# KiCad board nyx.kicad_pcb (continued)
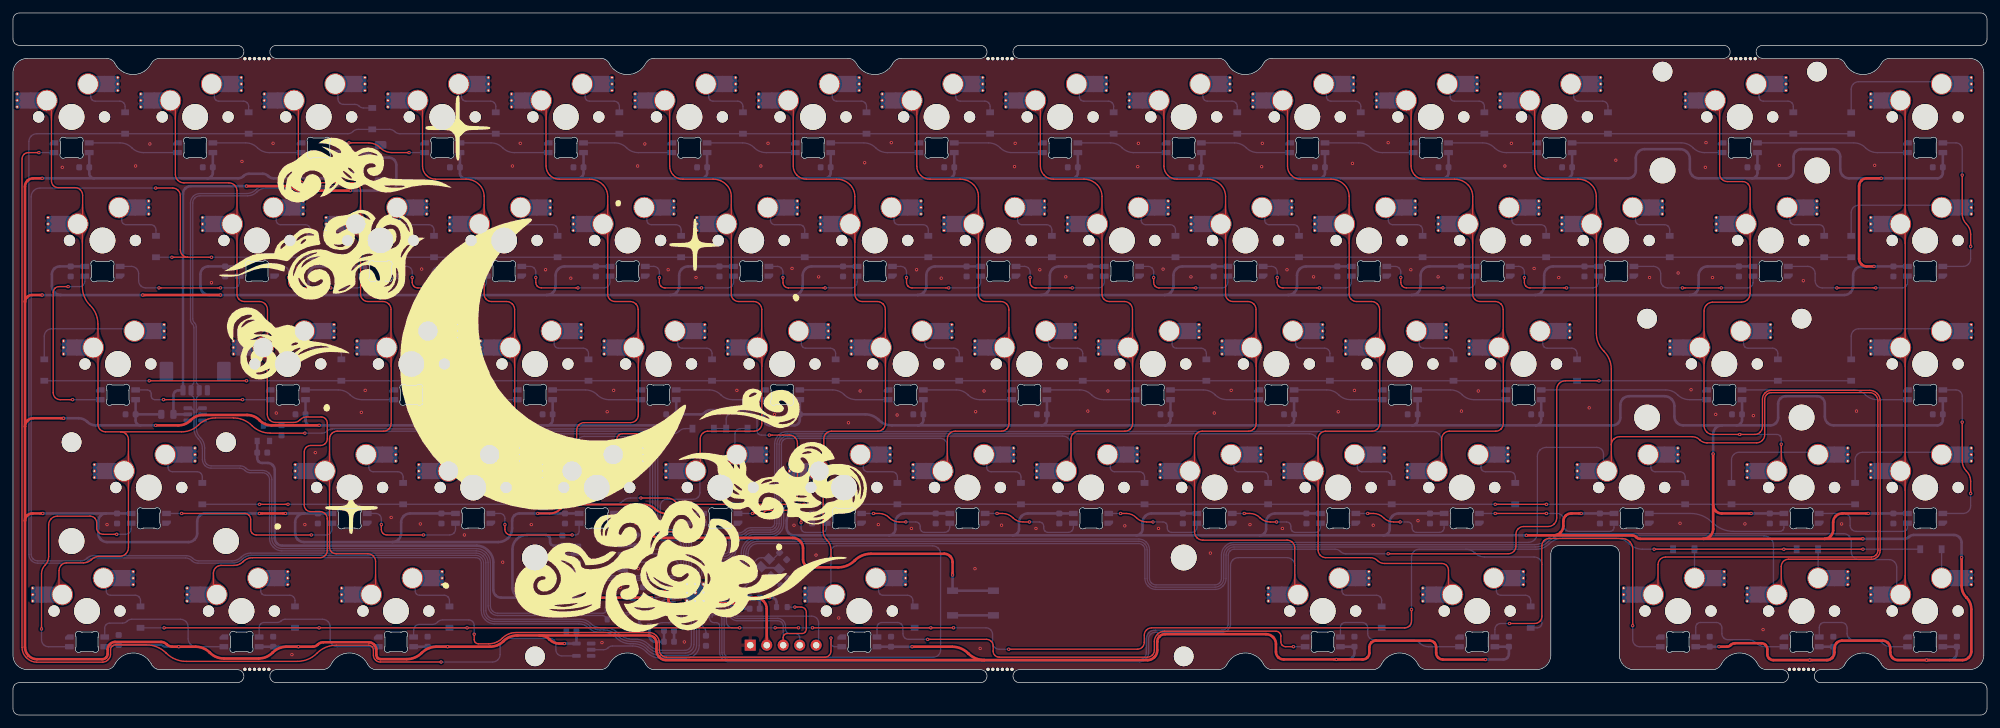
[diagram p0: board, top side]
## Footprints (pads in the part's own frame, mm; a bottom-side part is the same pattern mirrored in y, then rotated) (continued)
  rect 1.65x2.5 smd: 1(5.635,2.54) 2(-4.34,5.08)
  rrect 2.55x2.5 smd: 1(7.36,2.54) 2(-6.09,5.08)
  round 0.5 hole 0.25: 1(8.385,1.54) 1(8.385,2.54) 1(8.385,3.54) 2(-7.115,4.08) 2(-7.115,5.08) 2(-7.115,6.08)
SW_MX_HS_1.25u
  round 1.75 hole 1.75 unplated: (-5.08,0) (5.08,0)
  round 3.988 hole 3.988 unplated: (0,0)
  round 3.3 hole 3: 1(3.81,2.54) 2(-2.54,5.08)
  rect 1.65x2.5 smd: 1(5.635,2.54) 2(-4.34,5.08)
  rrect 2.55x2.5 smd: 1(7.36,2.54) 2(-6.09,5.08)
  round 0.5 hole 0.25: 1(8.385,1.54) 1(8.385,2.54) 1(8.385,3.54) 2(-7.115,4.08) 2(-7.115,5.08) 2(-7.115,6.08)
SW_MX_HS_1.75u
  round 1.75 hole 1.75 unplated: (-5.08,0) (5.08,0)
  round 3.988 hole 3.988 unplated: (0,0)
  round 3.3 hole 3: 1(3.81,2.54) 2(-2.54,5.08)
  rect 1.65x2.5 smd: 1(5.635,2.54) 2(-4.34,5.08)
  rrect 2.55x2.5 smd: 1(7.36,2.54) 2(-6.09,5.08)
  round 0.5 hole 0.25: 1(8.385,1.54) 1(8.385,2.54) 1(8.385,3.54) 2(-7.115,4.08) 2(-7.115,5.08) 2(-7.115,6.08)
SW_MX_HS_1u
  round 1.75 hole 1.75 unplated: (-5.08,0) (5.08,0)
  round 3.988 hole 3.988 unplated: (0,0)
  round 3.3 hole 3: 1(3.81,2.54) 2(-2.54,5.08)
  rect 1.65x2.5 smd: 1(5.635,2.54) 2(-4.34,5.08)
  rrect 2.55x2.5 smd: 1(7.36,2.54) 2(-6.09,5.08)
  round 0.5 hole 0.25: 1(8.385,1.54) 1(8.385,2.54) 1(8.385,3.54) 2(-7.115,4.08) 2(-7.115,5.08) 2(-7.115,6.08)
SW_SPST_TL3342
  rect 1.7x1 smd: 1(-3.15,1.9) 1(3.15,1.9) 2(-3.15,-1.9) 2(3.15,-1.9)
XC6206P332MR
  rect 1x0.8 smd: 1(-1.2,0.95) 2(-1.2,-0.95) 3(1.2,0)

## Nets
+1V1: C11.1 C12.1 C15.1 U3.23 U3.45 U3.50
+3V3: C2.1 C3.1 C4.1 C5.1 C6.1 C7.1 C8.1 C9.1 C10.1 C14.1 C18.1 J2.2 R3.1 RG1.2 U1.8 U3.1 U3.10 U3.22 U3.33 U3.42 U3.43 U3.44 U3.48 U3.49
+5V: C16.1 C17.1 C19.1 C20.1 C21.1 C22.1 C23.1 C24.1 C25.1 C26.1 C27.1 C28.1 C29.1 C30.1 C31.1 C32.1 C33.1 C34.2 C35.2 C36.2 C37.2 C38.2 C39.2 C40.2 C41.2 C42.2 C43.2 C44.2 C45.2 C46.2 C47.2 C48.2 C49.1 C50.1 C51.1 C52.1 C53.1 C54.1 C55.1 C56.1 C57.1 C58.1 C59.1 C60.1 C61.1 C62.1 C63.2 C64.2 C65.2 C66.2 C67.2 C68.2 C69.2 C70.2 C71.2 C72.2 C73.2 C74.2 C75.2 C76.2 C77.1 C78.1 C79.1 C80.1 C81.1 C82.1 C83.1 C84.1 C85.1 F1.2 LED1.1 LED2.1 LED3.1 LED4.1 LED5.1 LED6.1 LED7.1 LED8.1 LED9.1 LED10.1 LED11.1 LED12.1 LED13.1 LED14.1 LED15.1 LED16.1 LED17.1 LED18.1 LED19.1 LED20.1 LED21.1 LED22.1 LED23.1 LED24.1 LED25.1 LED26.1 LED27.1 LED28.1 LED29.1 LED30.1 LED31.1 LED32.1 LED33.1 LED34.1 LED35.1 LED36.1 LED37.1 LED38.1 LED39.1 LED40.1 LED41.1 LED42.1 LED43.1 LED44.1 LED45.1 LED46.1 LED47.1 LED48.1 LED49.1 LED50.1 LED51.1 LED52.1 LED53.1 LED54.1 LED55.1 LED56.1 LED57.1 LED58.1 LED59.1 LED60.1 LED61.1 LED62.1 LED63.1 LED64.1 LED65.1 LED66.1 LED67.1 RG1.3 U2.5
GND: C1.2 C2.2 C3.2 C4.2 C5.2 C6.2 C7.2 C8.2 C9.2 C10.2 C11.2 C12.2 C13.2 C14.2 C15.2 C16.2 C17.2 C18.2 C19.2 C20.2 C21.2 C22.2 C23.2 C24.2 C25.2 C26.2 C27.2 C28.2 C29.2 C30.2 C31.2 C32.2 C33.2 C34.1 C35.1 C36.1 C37.1 C38.1 C39.1 C40.1 C41.1 C42.1 C43.1 C44.1 C45.1 C46.1 C47.1 C48.1 C49.2 C50.2 C51.2 C52.2 C53.2 C54.2 C55.2 C56.2 C57.2 C58.2 C59.2 C60.2 C61.2 C62.2 C63.1 C64.1 C65.1 C66.1 C67.1 C68.1 C69.1 C70.1 C71.1 C72.1 C73.1 C74.1 C75.1 C76.1 C77.2 C78.2 C79.2 C80.2 C81.2 C82.2 C83.2 C84.2 C85.2 ESD1.2 J1.4 J2.1 J3.4 LED1.4 LED2.4 LED3.4 LED4.4 LED5.4 LED6.4 LED7.4 LED8.4 LED9.4 LED10.4 LED11.4 LED12.4 LED13.4 LED14.4 LED15.4 LED16.4 LED17.4 LED18.4 LED19.4 LED20.4 LED21.4 LED22.4 LED23.4 LED24.4 LED25.4 LED26.4 LED27.4 LED28.4 LED29.4 LED30.4 LED31.4 LED32.4 LED33.4 LED34.4 LED35.4 LED36.4 LED37.4 LED38.4 LED39.4 LED40.4 LED41.4 LED42.4 LED43.4 LED44.4 LED45.4 LED46.4 LED47.4 LED48.4 LED49.4 LED50.4 LED51.4 LED52.4 LED53.4 LED54.4 LED55.4 LED56.4 LED57.4 LED58.4 LED59.4 LED60.4 LED61.4 LED62.4 LED63.4 LED64.4 LED65.4 LED66.4 LED67.4 RG1.1 SW1.1 U1.4 U2.3 U3.19 U3.57 Y1.2 Y1.4
VBUS: ESD1.5 F1.1 J1.1 J3.1
/DM: ESD1.6 J1.2 J3.2 R5.2
/DP: ESD1.1 J1.3 J3.3 R4.2
/~{USB_BOOT}: R2.1 SW1.2
ARGB_3V3: U2.2 U3.34
ARGB_5V: LED1.3 U2.4
Col0: MX1.1 MX16.1 MX31.1 MX45.1 MX59.1 U3.5
Col1: MX2.1 MX17.1 MX32.1 MX60.1 U3.35
Col2: MX3.1 MX18.1 MX33.1 MX46.1 MX61.1 U3.4
Col3: MX4.1 MX19.1 MX34.1 MX47.1 U3.3
Col4: MX5.1 MX20.1 MX35.1 MX48.1 U3.2
Col5: MX6.1 MX21.1 MX36.1 MX49.1 U3.6
Col6: MX7.1 MX22.1 MX37.1 MX50.1 MX62.1 U3.28
Col7: MX8.1 MX23.1 MX38.1 MX51.1 U3.14
Col8: MX9.1 MX24.1 MX39.1 MX52.1 U3.13
Col9: MX10.1 MX25.1 MX40.1 MX53.1 MX63.1 U3.30
Col10: MX11.1 MX26.1 MX41.1 MX54.1 MX64.1 U3.12
Col11: MX12.1 MX27.1 MX42.1 MX55.1 U3.11
Col12: MX13.1 MX28.1 MX56.1 MX65.1 U3.16
Col13: MX14.1 MX29.1 MX43.1 MX57.1 MX66.1 U3.18
Col14: MX15.1 MX30.1 MX44.1 MX58.1 MX67.1 U3.17
D+: R4.1 U3.47
D-: R5.1 U3.46
FLASH_nCS: R2.2 U1.1 U3.56
FLASH_SCK: U1.6 U3.52
FLASH_SD0: U1.5 U3.53
FLASH_SD1: U1.2 U3.55
FLASH_SD2: U1.3 U3.54
FLASH_SD3: U1.7 U3.51
Row0: D1.1 D2.1 D3.1 D4.1 D5.1 D6.1 D7.1 D8.1 D9.1 D10.1 D11.1 D12.1 D13.1 D14.1 D15.1 U3.36
Row1: D16.1 D17.1 D18.1 D19.1 D20.1 D21.1 D22.1 D23.1 D24.1 D25.1 D26.1 D27.1 D28.1 D29.1 D30.1 U3.37
Row2: D31.1 D32.1 D33.1 D34.1 D35.1 D36.1 D37.1 D38.1 D39.1 D40.1 D41.1 D42.1 D43.1 D44.1 U3.29
Row3: D45.1 D46.1 D47.1 D48.1 D49.1 D50.1 D51.1 D52.1 D53.1 D54.1 D55.1 D56.1 D57.1 D58.1 U3.15
Row4: D59.1 D60.1 D61.1 D62.1 D63.1 D64.1 D65.1 D66.1 D67.1 U3.27
SWCLK: J2.5 U3.24
SWDIO: J2.4 U3.25
XTAL1: C1.1 U3.20 Y1.3
XTAL2: R1.1 U3.21
~{NRST}: J2.3 R3.2 U3.26
Net-(C13-Pad1): C13.1 R1.2 Y1.1
Net-(D1-A): D1.2 MX1.2
Net-(D2-A): D2.2 MX2.2
Net-(D3-A): D3.2 MX3.2
Net-(D4-A): D4.2 MX4.2
Net-(D5-A): D5.2 MX5.2
Net-(D6-A): D6.2 MX6.2
Net-(D7-A): D7.2 MX7.2
Net-(D8-A): D8.2 MX8.2
Net-(D9-A): D9.2 MX9.2
Net-(D10-A): D10.2 MX10.2
Net-(D11-A): D11.2 MX11.2
Net-(D12-A): D12.2 MX12.2
Net-(D13-A): D13.2 MX13.2
Net-(D14-A): D14.2 MX14.2
Net-(D15-A): D15.2 MX15.2
Net-(D16-A): D16.2 MX16.2
Net-(D17-A): D17.2 MX17.2
Net-(D18-A): D18.2 MX18.2
Net-(D19-A): D19.2 MX19.2
Net-(D20-A): D20.2 MX20.2
Net-(D21-A): D21.2 MX21.2
Net-(D22-A): D22.2 MX22.2
Net-(D23-A): D23.2 MX23.2
Net-(D24-A): D24.2 MX24.2
Net-(D25-A): D25.2 MX25.2
Net-(D26-A): D26.2 MX26.2
Net-(D27-A): D27.2 MX27.2
Net-(D28-A): D28.2 MX28.2
Net-(D29-A): D29.2 MX29.2
Net-(D30-A): D30.2 MX30.2
Net-(D31-A): D31.2 MX31.2
Net-(D32-A): D32.2 MX32.2
Net-(D33-A): D33.2 MX33.2
Net-(D34-A): D34.2 MX34.2
Net-(D35-A): D35.2 MX35.2
Net-(D36-A): D36.2 MX36.2
Net-(D37-A): D37.2 MX37.2
Net-(D38-A): D38.2 MX38.2
Net-(D39-A): D39.2 MX39.2
Net-(D40-A): D40.2 MX40.2
Net-(D41-A): D41.2 MX41.2
Net-(D42-A): D42.2 MX42.2
Net-(D43-A): D43.2 MX43.2
Net-(D44-A): D44.2 MX44.2
Net-(D45-A): D45.2 MX45.2
Net-(D46-A): D46.2 MX46.2
Net-(D47-A): D47.2 MX47.2
Net-(D48-A): D48.2 MX48.2
Net-(D49-A): D49.2 MX49.2
Net-(D50-A): D50.2 MX50.2
Net-(D51-A): D51.2 MX51.2
Net-(D52-A): D52.2 MX52.2
Net-(D53-A): D53.2 MX53.2
Net-(D54-A): D54.2 MX54.2
Net-(D55-A): D55.2 MX55.2
Net-(D56-A): D56.2 MX56.2
Net-(D57-A): D57.2 MX57.2
Net-(D58-A): D58.2 MX58.2
Net-(D59-A): D59.2 MX59.2
Net-(D60-A): D60.2 MX60.2
Net-(D61-A): D61.2 MX61.2
Net-(D62-A): D62.2 MX62.2
Net-(D63-A): D63.2 MX63.2
Net-(D64-A): D64.2 MX64.2
Net-(D65-A): D65.2 MX65.2
Net-(D66-A): D66.2 MX66.2
Net-(D67-A): D67.2 MX67.2
Net-(LED1-DOUT): LED1.2 LED2.3
Net-(LED2-DOUT): LED2.2 LED3.3
Net-(LED3-DOUT): LED3.2 LED4.3
Net-(LED4-DOUT): LED4.2 LED5.3
Net-(LED5-DOUT): LED5.2 LED6.3
Net-(LED6-DOUT): LED6.2 LED7.3
Net-(LED7-DOUT): LED7.2 LED8.3
Net-(LED8-DOUT): LED8.2 LED9.3
Net-(LED10-DIN): LED9.2 LED10.3
Net-(LED10-DOUT): LED10.2 LED11.3
Net-(LED11-DOUT): LED11.2 LED12.3
Net-(LED12-DOUT): LED12.2 LED13.3
Net-(LED13-DOUT): LED13.2 LED14.3
Net-(LED14-DOUT): LED14.2 LED15.3
Net-(LED15-DOUT): LED15.2 LED16.3
Net-(LED16-DOUT): LED16.2 LED17.3
Net-(LED17-DOUT): LED17.2 LED18.3
Net-(LED18-DOUT): LED18.2 LED19.3
Net-(LED19-DOUT): LED19.2 LED20.3
Net-(LED20-DOUT): LED20.2 LED21.3
Net-(LED21-DOUT): LED21.2 LED22.3
Net-(LED22-DOUT): LED22.2 LED23.3
Net-(LED23-DOUT): LED23.2 LED24.3
Net-(LED24-DOUT): LED24.2 LED25.3
Net-(LED25-DOUT): LED25.2 LED26.3
Net-(LED26-DOUT): LED26.2 LED27.3
Net-(LED27-DOUT): LED27.2 LED28.3
Net-(LED28-DOUT): LED28.2 LED29.3
Net-(LED29-DOUT): LED29.2 LED30.3
Net-(LED30-DOUT): LED30.2 LED31.3
Net-(LED31-DOUT): LED31.2 LED32.3
Net-(LED32-DOUT): LED32.2 LED33.3
Net-(LED33-DOUT): LED33.2 LED34.3
Net-(LED34-DOUT): LED34.2 LED35.3
Net-(LED35-DOUT): LED35.2 LED36.3
Net-(LED36-DOUT): LED36.2 LED37.3
Net-(LED37-DOUT): LED37.2 LED38.3
Net-(LED38-DOUT): LED38.2 LED39.3
Net-(LED39-DOUT): LED39.2 LED40.3
Net-(LED40-DOUT): LED40.2 LED41.3
Net-(LED41-DOUT): LED41.2 LED42.3
Net-(LED42-DOUT): LED42.2 LED43.3
Net-(LED43-DOUT): LED43.2 LED44.3
Net-(LED44-DOUT): LED44.2 LED45.3
Net-(LED45-DOUT): LED45.2 LED46.3
Net-(LED46-DOUT): LED46.2 LED47.3
Net-(LED47-DOUT): LED47.2 LED48.3
Net-(LED48-DOUT): LED48.2 LED49.3
Net-(LED49-DOUT): LED49.2 LED50.3
Net-(LED50-DOUT): LED50.2 LED51.3
Net-(LED51-DOUT): LED51.2 LED52.3
Net-(LED52-DOUT): LED52.2 LED53.3
Net-(LED53-DOUT): LED53.2 LED54.3
Net-(LED54-DOUT): LED54.2 LED55.3
Net-(LED55-DOUT): LED55.2 LED56.3
Net-(LED56-DOUT): LED56.2 LED57.3
Net-(LED57-DOUT): LED57.2 LED58.3
Net-(LED58-DOUT): LED58.2 LED59.3
Net-(LED59-DOUT): LED59.2 LED60.3
Net-(LED60-DOUT): LED60.2 LED61.3
Net-(LED61-DOUT): LED61.2 LED62.3
Net-(LED62-DOUT): LED62.2 LED63.3
Net-(LED63-DOUT): LED63.2 LED64.3
Net-(LED64-DOUT): LED64.2 LED65.3
Net-(LED65-DOUT): LED65.2 LED66.3
Net-(LED66-DOUT): LED66.2 LED67.3

Pads without a net: ESD1 3 4; J1 MP; J3 MP; LED67 2; U2 1; U3 7 8 9 31 32 38 39 40 41

## Via types
v1: diameter 0.5, hole 0.25, Top to Bottom, 266 vias

## Routing (per net, layer and track width the routed paths; a pad name or vN(x,y) marks a point on that pad's centre or on a via; arc(x,y) is an arc through that point)
+1V1: length 28.6
  Top w0.4: v1(107.33,16.85) 107.59,17.11 arc(107.75,17.22) 107.95,17.25 110.87,17.25 arc(111.44,17.14) 111.92,16.82 v1(112.33,16.4) ; v1(102.89,17.08) 101.65,17.08 arc(101.42,17.13) 101.23,17.26 101.21,17.27 arc(101.08,17.47) 101.03,17.7 101.03,18.34 arc(100.98,18.63) 100.82,18.87 100.8,18.88 arc(100.56,19.05) 100.27,19.1 v1(98.93,19.1)
  Bottom w0.2: v1(98.93,19.1) 98.95,19.08 U3.50 ; v1(112.33,16.4) 112.56,16.4 arc(112.08,16.5) 111.66,16.78 arc(111.49,17.03) 111.43,17.32 arc(111.36,17.67) 111.17,17.97 arc(110.82,18.2) 110.41,18.28 U3.23 ; C15.1 98.88,15.4 arc(99.07,15.44) 99.23,15.55 100.4,16.72 arc(100.81,16.99) 101.29,17.08 U3.45 102.85,17.08 v1(102.89,17.08) 102.86,17.08 102.85,17.08
  Bottom w0.4: 106.29,16.86 107.32,16.86 v1(107.33,16.85) ; v1(112.33,16.4) C11.1 ; v1(98.93,19.1) 98.56,19.48 arc(98.31,19.64) 98.01,19.7 C12.1
+3V3: length 159.5
  Top w0.4: v1(116.62,18.1) 116.58,18.1 ; v1(116.62,18.1) 114.45,18.1 114.45,18.1 ; v1(116.62,18.1) 116.58,18.1 ; v1(98.43,18.1) v1(88,18.1) ; 114.45,18.1 v1(111.93,18.1) ; 114.45,18.1 arc(115.13,17.97) 115.7,17.59 arc(116.07,17.03) 116.2,16.38 J2.2
  Bottom w0.2: 102.58,21.39 102.58,23.08 arc(102.52,23.39) 102.35,23.65 C3.1 ; 107.87,18.68 110.52,18.68 arc(110.92,18.6) 111.26,18.38 arc(111.56,18.17) 111.92,18.1 v1(111.93,18.1) ; U3.43 101.75,14.99 arc(101.69,14.69) 101.52,14.43 arc(101.32,14.3) 101.08,14.25 ; U3.43 U3.42 102.58,14.84 arc(102.54,14.62) 102.42,14.43 arc(102.22,14.3) 101.98,14.25 101.08,14.25 ; U3.43 U3.44 ; 106.18,21.5 106.18,24.71 arc(106.26,25.09) 106.48,25.42 C4.1 ; 101.08,14.25 100.13,14.25 arc(99.67,14.16) 99.29,13.9 arc(99.07,13.75) 98.81,13.7 C14.1 ; 106.18,16.2 106.18,14.23 arc(106.26,13.83) 106.49,13.49 106.53,13.46 arc(106.75,13.12) 106.83,12.72 C7.1 ; 106.73,12.48 106.73,12.48 ; 100.57,18.68 U3.49 U3.48 101.53,18.28 arc(101.01,18.39) 100.57,18.68 ; 100.57,18.68 arc(100.19,18.61) 99.86,18.39 arc(99.54,18.18) 99.16,18.1 v1(98.43,18.1)
  Bottom w0.4: 78.47,18.1 v1(88,18.1) ; 78.47,18.1 75.27,18.1 arc(74.81,18.2) 74.42,18.46 74.4,18.47 arc(74.14,18.86) 74.05,19.32 74.05,23.57 arc(73.87,24.47) 73.36,25.24 73.16,25.43 arc(72.4,25.94) 71.5,26.12 41.51,26.12 arc(41.07,26.21) 40.7,26.46 40.69,26.47 arc(40.44,26.84) 40.35,27.28 40.35,37.8 arc(40.28,38.19) 40.06,38.51 39.99,38.58 arc(39.67,38.8) 39.29,38.87 38.41,38.87 arc(38.12,38.93) 37.88,39.09 37.87,39.1 arc(37.71,39.35) 37.65,39.63 C18.1 RG1.2 ; 78.47,18.1 arc(77.91,18.21) 77.44,18.53 77.42,18.55 arc(77.11,19.02) 77,19.57 77,25.56 arc(77.17,26.4) 77.64,27.12 77.66,27.13 arc(78.37,27.6) 79.21,27.77 82.13,27.77 arc(82.38,27.72) 82.59,27.58 82.61,27.56 arc(82.75,27.35) 82.8,27.1 82.8,26.68 arc(82.84,26.49) 82.95,26.33 83,26.27 arc(83.16,26.17) 83.35,26.13 U1.8 ; C8.1 C9.1 99.04,11.3 arc(98.7,11.37) 98.41,11.57 98.37,11.6 arc(98.18,11.89) 98.11,12.24 C14.1 ; C5.1 C4.1 ; v1(98.43,18.1) C10.1 ; v1(116.62,18.1) 116.92,18.1 arc(117.25,18.04) 117.54,17.85 arc(117.66,17.66) 117.71,17.43 R3.1 ; v1(111.93,18.1) C6.1
+5V: length 2150.8
  Top w0.3: v1(80.9,31.09) 82.74,31.09 arc(83.64,31.27) 84.4,31.78 84.41,31.78 arc(85.17,32.29) 86.07,32.47 97.33,32.47 arc(98.23,32.29) 98.99,31.78 99,31.78 arc(99.76,31.27) 100.66,31.09 v1(102,31.09)
  Top w0.4: 262.1,32.39 262.1,28.67 arc(261.99,28.12) 261.68,27.65 261.62,27.6 arc(261.15,27.28) 260.6,27.17 ; 262.1,32.39 v1(262.1,40.27) ; 262.1,32.39 arc(262.2,31.91) 262.47,31.51 262.52,31.45 arc(262.92,31.18) 263.4,31.09 v1(267.95,31.09) ; 81.23,12.27 98.02,12.27 arc(98.46,12.18) 98.84,11.94 98.86,11.91 arc(99.11,11.54) 99.2,11.1 99.2,9.93 arc(99.3,9.41) 99.6,8.98 99.7,8.87 arc(100.14,8.58) 100.66,8.47 149.75,8.47 ; 81.23,12.27 77.72,12.27 arc(76.59,12.05) 75.64,11.41 75.63,11.4 arc(74.67,10.76) 73.54,10.54 v1(67,10.54) 65.31,10.54 arc(64.07,10.29) 63.01,9.59 63,9.57 arc(61.95,8.87) 60.7,8.62 56.67,8.62 arc(56.42,8.67) 56.21,8.81 56.2,8.82 arc(56.06,9.03) 56.01,9.28 56.01,10.07 arc(55.93,10.47) 55.71,10.82 55.61,10.91 arc(55.27,11.14) 54.87,11.22 47.83,11.22 arc(47.39,11.13) 47.01,10.89 47,10.87 arc(46.63,10.63) 46.19,10.54 v1(44,10.54) 42.2,10.54 arc(41.03,10.31) 40.04,9.64 40.01,9.62 arc(39.02,8.95) 37.86,8.72 32.51,8.72 arc(31.35,8.95) 30.36,9.62 30.33,9.64 arc(29.34,10.31) 28.17,10.54 v1(25.57,10.54) 24.58,10.54 arc(24.1,10.63) 23.7,10.9 23.7,10.91 arc(23.29,11.18) 22.81,11.27 15.73,11.27 arc(15.33,11.19) 14.99,10.96 14.9,10.87 arc(14.67,10.53) 14.59,10.13 14.59,9.43 arc(14.53,9.12) 14.36,8.86 14.33,8.84 arc(14.07,8.67) 13.77,8.61 3.72,8.61 arc(3.01,8.75) 2.41,9.15 2.39,9.16 arc(1.99,9.76) 1.85,10.47 1.85,29.97 ; 81.23,12.27 arc(82.03,12.11) 82.72,11.66 82.73,11.64 arc(83.42,11.18) 84.22,11.02 v1(85,11.02) ; 260.6,27.17 250.85,27.17 arc(250.53,27.24) 250.25,27.42 250.21,27.46 arc(249.93,27.65) 249.61,27.71 237.56,27.71 ; 260.6,27.17 279.28,27.17 ; v1(22,44.67) 25.5,44.67 arc(26.52,44.87) 27.38,45.45 27.42,45.5 arc(28.28,46.07) 29.3,46.27 36.1,46.27 arc(37.12,46.07) 37.98,45.5 38.02,45.45 arc(38.88,44.87) 39.9,44.67 v1(47.2,44.67) ; 1.85,29.97 1.85,44.5 ; 1.85,29.97 arc(1.93,30.39) 2.17,30.74 2.19,30.77 arc(2.55,31) 2.97,31.09 v1(4.6,31.09) ; 1.85,44.5 1.85,63.71 ; 1.85,44.5 arc(1.94,44.98) 2.22,45.39 2.23,45.41 arc(2.64,45.68) 3.12,45.77 v1(7.8,45.77) ; 237.56,27.71 v1(233.3,27.71) ; 237.56,27.71 arc(238.1,27.82) 238.55,28.12 238.59,28.16 arc(238.89,28.62) 239,29.15 239,29.88 arc(239.09,30.33) 239.35,30.72 239.36,30.74 arc(239.75,31) 240.21,31.09 v1(241.76,31.09) ; v1(300.4,24.27) 300.4,19.93 arc(300.59,18.95) 301.15,18.13 301.15,18.12 arc(301.71,17.29) 301.9,16.32 301.9,9.81 arc(301.8,9.31) 301.52,8.89 301.48,8.85 arc(301.06,8.57) 300.56,8.47 v1(295,8.47) 290.58,8.47 arc(290.14,8.56) 289.76,8.81 289.74,8.84 arc(289.49,9.21) 289.4,9.65 289.4,10.3 arc(289.31,10.74) 289.06,11.11 289.04,11.14 arc(288.66,11.38) 288.22,11.47 281.98,11.47 arc(281.54,11.38) 281.16,11.14 281.14,11.11 arc(280.89,10.74) 280.8,10.3 280.8,9.65 arc(280.71,9.21) 280.46,8.84 280.44,8.81 arc(280.06,8.56) 279.62,8.47 v1(277,8.47) 271.35,8.47 arc(271.03,8.54) 270.75,8.72 270.7,8.77 arc(270.51,9.05) 270.45,9.37 270.45,10.17 arc(270.39,10.5) 270.2,10.77 270.15,10.82 arc(269.87,11.01) 269.55,11.07 265.45,11.07 arc(265.13,11.01) 264.85,10.82 264.81,10.79 arc(264.54,10.6) 264.21,10.54 v1(263,10.54) ; 149.75,8.47 174.94,8.47 arc(175.46,8.58) 175.9,8.87 176,8.98 arc(176.3,9.41) 176.4,9.93 176.4,11.3 arc(176.49,11.74) 176.74,12.11 176.76,12.14 arc(177.14,12.38) 177.58,12.47 193.18,12.47 arc(193.75,12.36) 194.24,12.03 194.26,12.01 arc(194.59,11.53) 194.7,10.95 194.7,9.75 arc(194.79,9.31) 195.04,8.94 195.06,8.91 arc(195.44,8.66) 195.88,8.57 v1(204,8.57) 208.09,8.57 arc(208.47,8.65) 208.79,8.87 208.81,8.88 arc(209.02,9.2) 209.1,9.59 209.1,10.46 arc(209.18,10.84) 209.39,11.17 209.41,11.18 arc(209.73,11.4) 210.11,11.47 218.39,11.47 arc(218.77,11.4) 219.09,11.18 219.11,11.17 arc(219.32,10.84) 219.4,10.46 219.4,9.59 arc(219.48,9.2) 219.69,8.88 219.72,8.85 arc(220.04,8.64) 220.43,8.56 v1(227,8.56) ; 149.75,8.47 arc(148.41,8.74) 147.27,9.5 147.26,9.51 arc(146.12,10.27) 144.79,10.54 v1(138.6,10.54) ; v1(20,64.77) v1(32,64.77) ; 279.28,27.17 v1(285.2,27.17) ; 279.28,27.17 arc(279.76,27.27) 280.17,27.54 280.23,27.61 arc(280.5,28.01) 280.6,28.49 280.6,29.71 arc(280.7,30.23) 281,30.67 281.02,30.69 arc(281.46,30.98) 281.97,31.09 v1(286,31.09) ; v1(288,82.77) 285.78,82.77 arc(285.34,82.68) 284.96,82.44 284.94,82.41 arc(284.69,82.04) 284.6,81.6 284.6,70.35 arc(284.69,69.91) 284.94,69.54 284.95,69.52 arc(285.32,69.28) 285.76,69.19 v1(286.9,69.19) ; v1(4.5,64.77) 2.91,64.77 arc(2.53,64.7) 2.21,64.48 2.14,64.41 arc(1.93,64.09) 1.85,63.71 ; v1(4.5,82.77) 3.12,82.77 arc(2.64,82.68) 2.23,82.41 2.22,82.39 arc(1.94,81.98) 1.85,81.51 1.85,63.71 ; v1(42,31.09) v1(38,31.09)
  Bottom w0.3: v1(25.57,10.54) 23.4,10.54 arc(23.25,10.57) 23.12,10.65 23.09,10.68 arc(22.96,10.77) 22.81,10.8 C77.1 15.69,10.8 arc(15.54,10.77) 15.41,10.68 15.38,10.65 arc(15.25,10.57) 15.1,10.54 LED59.1
  Bottom w0.4: LED16.1 C34.2 v1(286.9,69.19) 285.05,69.19 arc(284.53,69.08) 284.09,68.79 284.07,68.77 arc(283.78,68.33) 283.68,67.81 283.68,66.13 arc(283.57,65.61) 283.28,65.18 283.27,65.17 arc(282.83,64.88) 282.32,64.77 258.5,64.77 ; 182.39,82.77 201.44,82.77 ; 182.39,82.77 163.34,82.77 ; 182.39,82.77 arc(182.68,82.83) 182.92,82.99 182.99,83.06 arc(183.15,83.31) 183.21,83.59 C28.1 LED10.1 ; 201.44,82.77 220.49,82.77 ; 201.44,82.77 arc(201.73,82.83) 201.97,82.99 202.04,83.06 arc(202.2,83.31) 202.26,83.59 C29.1 LED11.1 ; LED24.1 C42.2 123.12,69.19 arc(122.61,69.08) 122.17,68.79 122.15,68.77 arc(121.85,68.33) 121.75,67.81 121.75,66.13 arc(121.65,65.61) 121.35,65.18 121.35,65.17 arc(120.91,64.88) 120.39,64.77 ; 173.17,27.71 154.12,27.71 ; 173.17,27.71 192.22,27.71 ; 173.17,27.71 arc(173.54,27.79) 173.84,27.99 173.86,28.01 arc(174.07,28.31) 174.14,28.68 174.14,29.71 arc(174.24,30.23) 174.53,30.67 174.56,30.69 arc(175,30.98) 175.51,31.09 C68.2 LED50.1 ; 154.12,27.71 135.07,27.71 ; 154.12,27.71 arc(154.49,27.79) 154.79,27.99 154.81,28.01 arc(155.02,28.31) 155.09,28.68 155.09,29.71 arc(155.19,30.23) 155.48,30.67 155.51,30.69 arc(155.95,30.98) 156.46,31.09 C69.2 LED51.1 ; LED53.1 C71.2 120.37,31.09 arc(119.95,31) 119.59,30.77 119.59,30.76 arc(119.35,30.4) 119.26,29.98 119.26,28.89 arc(119.35,28.45) 119.6,28.07 119.62,28.05 arc(120,27.8) 120.44,27.71 135.07,27.71 ; v1(300.4,24.27) 300.4,26.6 arc(300.31,27.04) 300.06,27.41 300.04,27.44 arc(299.66,27.68) 299.22,27.77 293.01,27.77 arc(292.63,27.7) 292.31,27.48 292.29,27.47 arc(291.97,27.25) 291.59,27.17 v1(285.2,27.17) ; C54.1 121.3,45.49 arc(121.24,45.21) 121.08,44.96 121.01,44.89 arc(120.76,44.73) 120.48,44.67 116.65,44.67 arc(116.33,44.74) 116.05,44.92 116.05,44.92 arc(115.86,45.2) 115.8,45.52 115.8,46.12 arc(115.74,46.45) 115.55,46.72 115.5,46.77 arc(115.22,46.96) 114.9,47.02 107.46,47.02 arc(107.08,46.95) 106.76,46.73 106.69,46.67 arc(106.37,46.45) 105.99,46.37 C53.1 ; C54.1 131.4,46.37 arc(132.51,46.15) 133.45,45.52 arc(134.39,44.89) 135.5,44.67 139.53,44.67 ; C54.1 LED36.1 ; 263.46,44.67 257.49,44.67 arc(256.97,44.78) 256.53,45.07 256.52,45.08 arc(256.23,45.51) 256.13,46.03 256.13,47.67 arc(256.02,48.23) 255.7,48.7 255.65,48.75 arc(255.18,49.06) 254.63,49.17 249.15,49.17 arc(248.64,49.07) 248.2,48.78 248.19,48.77 arc(247.9,48.33) 247.8,47.81 247.8,45.85 arc(247.71,45.41) 247.46,45.04 247.43,45.01 arc(247.06,44.76) 246.62,44.67 234.78,44.67 ; 263.46,44.67 265.73,44.67 ; 263.46,44.67 arc(262.94,44.57) 262.5,44.28 262.5,44.27 arc(262.2,43.83) 262.1,43.31 v1(262.1,40.27) ; LED17.1 C35.2 261.24,69.19 arc(260.72,69.08) 260.28,68.79 260.26,68.77 arc(259.97,68.33) 259.86,67.81 259.86,66.13 arc(259.76,65.61) 259.47,65.18 259.46,65.17 arc(259.02,64.88) 258.5,64.77 ; 135.07,27.71 arc(135.44,27.79) 135.74,27.99 135.76,28.01 arc(135.97,28.31) 136.04,28.68 136.04,29.71 arc(136.14,30.23) 136.43,30.67 136.46,30.69 arc(136.9,30.98) 137.41,31.09 C70.2 LED52.1 ; v1(67,10.54) C79.1 LED61.1 ; 211.27,27.71 192.22,27.71 ; 211.27,27.71 v1(233.3,27.71) ; 211.27,27.71 arc(211.64,27.79) 211.94,27.99 211.96,28.01 arc(212.17,28.31) 212.24,28.68 212.24,29.71 arc(212.34,30.23) 212.63,30.67 212.66,30.69 arc(213.1,30.98) 213.61,31.09 C66.2 LED48.1 ; 192.22,27.71 arc(192.59,27.79) 192.89,27.99 192.91,28.01 arc(193.12,28.31) 193.19,28.68 193.19,29.71 arc(193.29,30.23) 193.58,30.67 193.61,30.69 arc(194.05,30.98) 194.56,31.09 C67.2 LED49.1 ; v1(38,31.09) 29.61,31.09 arc(29.15,31) 28.76,30.74 28.75,30.72 arc(28.49,30.33) 28.4,29.88 28.4,28.01 arc(28.3,27.51) 28.02,27.09 27.98,27.05 arc(27.56,26.77) 27.06,26.67 14.5,26.67 arc(13.99,26.78) 13.55,27.07 13.54,27.08 arc(13.25,27.51) 13.14,28.03 13.14,29.88 arc(13.24,30.33) 13.5,30.72 13.51,30.74 arc(13.9,31) 14.36,31.09 ; LED32.1 C50.1 45.1,45.42 arc(45.15,45.14) 45.32,44.89 45.32,44.89 arc(45.56,44.73) 45.85,44.67 ; LED19.1 C37.2 218.37,69.19 arc(217.86,69.08) 217.42,68.79 217.4,68.77 arc(217.1,68.33) 217,67.81 217,66.13 arc(216.9,65.61) 216.6,65.18 216.6,65.17 arc(216.16,64.88) 215.64,64.77 ; 158.58,44.67 177.63,44.67 ; 158.58,44.67 139.53,44.67 ; 158.58,44.67 arc(158.86,44.73) 159.11,44.89 159.18,44.96 arc(159.34,45.21) 159.4,45.49 C56.1 LED38.1 ; 177.63,44.67 196.68,44.67 ; 177.63,44.67 arc(177.91,44.73) 178.16,44.89 178.23,44.96 arc(178.39,45.21) 178.45,45.49 C57.1 LED39.1 ; LED7.1 C25.1 126.06,83.59 arc(126,83.31) 125.84,83.06 125.77,82.99 arc(125.53,82.83) 125.24,82.77 ; LED58.1 C76.2 14.36,31.09 ; v1(7.8,45.77) 10.13,45.77 arc(10.84,45.63) 11.44,45.23 11.46,45.21 arc(12.06,44.81) 12.77,44.67 19.65,44.67 ; 258.5,64.77 234.69,64.77 ; 234.69,64.77 215.64,64.77 ; 234.69,64.77 arc(235.21,64.88) 235.65,65.17 235.65,65.18 arc(235.95,65.61) 236.05,66.13 236.05,67.81 arc(236.15,68.33) 236.45,68.77 236.47,68.79 arc(236.91,69.08) 237.42,69.19 C36.2 LED18.1 ; 239.54,82.77 249,82.77 arc(249.44,82.86) 249.81,83.11 249.84,83.14 arc(250.09,83.51) 250.18,83.95 250.18,85.91 arc(250.28,86.43) 250.57,86.87 250.58,86.88 arc(251.02,87.17) 251.54,87.27 257.01,87.27 arc(257.56,87.16) 258.03,86.85 258.08,86.8 arc(258.4,86.33) 258.51,85.77 258.51,84.13 arc(258.61,83.61) 258.9,83.18 258.91,83.17 arc(259.35,82.88) 259.87,82.77 268.11,82.77 ; 239.54,82.77 220.49,82.77 ; 239.54,82.77 arc(239.83,82.83) 240.07,82.99 240.14,83.06 arc(240.3,83.31) 240.36,83.59 C31.1 LED13.1 ; LED6.1 C24.1 107.01,83.59 arc(106.95,83.31) 106.79,83.06 106.72,82.99 arc(106.48,82.83) 106.19,82.77 ; LED47.1 C65.2 v1(241.76,31.09) ; LED1.1 C19.1 11.76,83.52 arc(11.82,83.24) 11.98,82.99 arc(12.22,82.83) 12.51,82.77 ; LED8.1 C26.1 145.11,83.59 arc(145.05,83.31) 144.89,83.06 144.82,82.99 arc(144.58,82.83) 144.29,82.77 ; 19.65,44.67 v1(22,44.67) ; 19.65,44.67 arc(19.37,44.73) 19.12,44.89 arc(18.96,45.14) 18.9,45.42 C49.1 ; 268.11,82.77 273.32,82.77 arc(273.76,82.86) 274.14,83.11 274.16,83.14 arc(274.41,83.51) 274.5,83.95 274.5,86.1 arc(274.59,86.54) 274.84,86.91 274.86,86.94 arc(275.24,87.18) 275.68,87.27 280.52,87.27 arc(280.96,87.18) 281.34,86.94 281.36,86.91 arc(281.61,86.54) 281.7,86.1 281.7,84.13 arc(281.8,83.61) 282.1,83.18 282.1,83.17 arc(282.54,82.88) 283.06,82.77 296.69,82.77 arc(296.98,82.83) 297.22,82.99 297.29,83.06 arc(297.45,83.31) 297.51,83.59 C33.1 LED15.1 ; 268.11,82.77 arc(268.4,82.83) 268.64,82.99 268.72,83.06 arc(268.88,83.31) 268.93,83.59 C32.1 LED14.1 ; LED45.1 C63.2 v1(286,31.09) ; LED65.1 C83.1 v1(263,10.54) ; LED66.1 C84.1 280.62,9.34 arc(280.55,9.02) 280.37,8.74 280.35,8.72 arc(280.07,8.54) 279.75,8.47 v1(277,8.47) ; LED63.1 C81.1 206.8,9.57 arc(206.73,9.2) 206.52,8.89 206.48,8.85 arc(206.17,8.64) 205.81,8.57 v1(204,8.57) ; LED57.1 C75.2 44.87,31.09 ; LED40.1 C58.1 197.5,45.49 arc(197.44,45.21) 197.28,44.96 197.21,44.89 arc(196.96,44.73) 196.68,44.67 ; LED43.1 C61.1 266.55,45.49 arc(266.5,45.21) 266.33,44.96 266.26,44.89 arc(266.02,44.73) 265.73,44.67 ; 139.53,44.67 arc(139.81,44.73) 140.06,44.89 140.13,44.96 arc(140.29,45.21) 140.35,45.49 C55.1 LED37.1 ; LED26.1 C44.2 85.02,69.19 arc(84.51,69.08) 84.07,68.79 84.05,68.77 arc(83.75,68.33) 83.65,67.81 83.65,66.13 arc(83.55,65.61) 83.25,65.18 83.25,65.17 arc(82.81,64.88) 82.29,64.77 ; 45.85,44.67 C17.1 RG1.3 ; 45.85,44.67 v1(47.2,44.67) 63.33,44.67 ; v1(267.95,31.09) C64.2 LED46.1 ; v1(4.5,82.77) 12.51,82.77 ; 12.51,82.77 29.99,82.77 ; 7.36,64.77 v1(20,64.77) ; 7.36,64.77 v1(4.5,64.77) ; 7.36,64.77 arc(6.84,64.88) 6.4,65.17 6.4,65.18 arc(6.1,65.61) 6,66.13 6,67.98 arc(6.09,68.43) 6.35,68.82 6.36,68.84 arc(6.75,69.1) 7.21,69.19 C48.2 LED30.1 ; LED21.1 C39.2 180.27,69.19 arc(179.76,69.08) 179.32,68.79 179.3,68.77 arc(179,68.33) 178.9,67.81 178.9,66.13 arc(178.8,65.61) 178.5,65.18 178.5,65.17 arc(178.06,64.88) 177.54,64.77 ; LED25.1 C43.2 104.07,69.19 arc(103.56,69.08) 103.12,68.79 103.1,68.77 arc(102.8,68.33) 102.7,67.81 102.7,66.13 arc(102.6,65.61) 102.3,65.18 102.3,65.17 arc(101.86,64.88) 101.34,64.77 ; LED42.1 C60.1 235.6,45.49 arc(235.54,45.21) 235.38,44.96 235.31,44.89 arc(235.06,44.73) 234.78,44.67 ; v1(138.6,10.54) C80.1 LED62.1 ; LED4.1 C22.1 68.91,83.52 arc(68.97,83.24) 69.13,82.99 arc(69.37,82.83) 69.66,82.77 87.14,82.77 ; C53.1 LED35.1 ; C53.1 102.25,45.49 arc(102.19,45.21) 102.03,44.96 101.96,44.89 arc(101.71,44.73) 101.43,44.67 82.38,44.67 ; LED20.1 C38.2 199.32,69.19 arc(198.81,69.08) 198.37,68.79 198.35,68.77 arc(198.05,68.33) 197.95,67.81 197.95,66.13 arc(197.85,65.61) 197.55,65.18 197.55,65.17 arc(197.11,64.88) 196.59,64.77 ; 106.19,82.77 125.24,82.77 ; 106.19,82.77 87.14,82.77 ; 125.24,82.77 144.29,82.77 ; 29.99,82.77 34.72,82.77 arc(35.16,82.86) 35.54,83.11 35.56,83.14 arc(35.94,83.38) 36.38,83.47 38.52,83.47 arc(38.96,83.38) 39.34,83.14 39.36,83.11 arc(39.74,82.86) 40.18,82.77 48.97,82.77 arc(49.29,82.84) 49.57,83.02 49.61,83.06 arc(49.8,83.34) 49.86,83.66 49.86,85.38 ; 29.99,82.77 arc(30.28,82.83) 30.52,82.99 30.59,83.06 arc(30.75,83.31) 30.81,83.59 C20.1 LED2.1 ; 163.34,82.77 144.29,82.77 ; 163.34,82.77 arc(163.63,82.83) 163.87,82.99 163.94,83.06 arc(164.1,83.31) 164.16,83.59 C27.1 LED9.1 ; 44.87,31.09 v1(42,31.09) ; 44.87,31.09 arc(44.36,30.98) 43.92,30.69 43.9,30.67 arc(43.6,30.23) 43.5,29.71 43.5,28.03 arc(43.6,27.51) 43.9,27.08 43.9,27.07 arc(44.34,26.78) 44.86,26.67 58.48,26.67 ; v1(227,8.56) 229.75,8.56 arc(230.07,8.62) 230.35,8.81 230.36,8.82 arc(230.55,9.1) 230.61,9.42 C82.1 LED64.1 ; 215.73,44.67 234.78,44.67 ; 215.73,44.67 196.68,44.67 ; 215.73,44.67 arc(216.01,44.73) 216.26,44.89 216.33,44.96 arc(216.49,45.21) 216.55,45.49 C59.1 LED41.1 ; v1(44,10.54) C78.1 LED60.1 ; 63.24,64.77 82.29,64.77 ; 63.24,64.77 44.19,64.77 ; 63.24,64.77 arc(63.76,64.88) 64.2,65.17 64.2,65.18 arc(64.5,65.61) 64.6,66.13 64.6,67.81 arc(64.7,68.33) 65,68.77 65.02,68.79 arc(65.46,69.08) 65.97,69.19 C45.2 LED27.1 ; 82.29,64.77 101.34,64.77 ; 44.19,64.77 v1(32,64.77) 30.26,64.77 arc(29.74,64.88) 29.3,65.17 29.3,65.18 arc(29,65.61) 28.9,66.13 28.9,67.98 arc(28.99,68.43) 29.25,68.82 29.26,68.84 arc(29.65,69.1) 30.11,69.19 C47.2 LED29.1 ; 44.19,64.77 arc(44.71,64.88) 45.15,65.17 45.15,65.18 arc(45.45,65.61) 45.55,66.13 45.55,67.81 arc(45.65,68.33) 45.95,68.77 45.97,68.79 arc(46.41,69.08) 46.92,69.19 C46.2 LED28.1 ; LED44.1 C62.1 297.51,45.49 arc(297.45,45.21) 297.29,44.96 297.22,44.89 arc(296.98,44.73) 296.69,44.67 280.68,44.67 arc(280.16,44.78) 279.72,45.07 279.71,45.08 arc(279.42,45.51) 279.32,46.03 279.32,48 arc(279.23,48.44) 278.98,48.81 278.96,48.84 arc(278.58,49.08) 278.14,49.17 273.3,49.17 arc(272.86,49.08) 272.48,48.84 272.46,48.81 arc(272.21,48.44) 272.12,48 272.12,45.85 arc(272.03,45.41) 271.78,45.04 271.76,45.01 arc(271.38,44.76) 270.94,44.67 265.73,44.67 ; 82.38,44.67 63.33,44.67 ; 82.38,44.67 arc(82.66,44.73) 82.91,44.89 82.98,44.96 arc(83.14,45.21) 83.2,45.49 C52.1 LED34.1 ; LED12.1 C30.1 221.31,83.59 arc(221.25,83.31) 221.09,83.06 221.02,82.99 arc(220.78,82.83) 220.49,82.77 ; 101.34,64.77 120.39,64.77 ; LED31.1 C49.1 ; C49.1 F1.2 ; 49.86,85.38 LED3.1 ; 49.86,85.38 arc(49.8,85.06) 49.61,84.78 49.55,84.72 arc(49.27,84.54) 48.95,84.47 C21.1 ; 196.59,64.77 215.64,64.77 ; 196.59,64.77 177.54,64.77 ; 14.36,31.09 v1(4.6,31.09) ; v1(85,11.02) U2.5 C16.1 ; LED56.1 C74.2 61.21,31.09 arc(60.7,30.98) 60.26,30.69 60.23,30.67 arc(59.94,30.23) 59.84,29.71 59.84,28.03 arc(59.73,27.51) 59.44,27.08 59.43,27.07 arc(58.99,26.78) 58.48,26.67 ; 87.14,82.77 arc(87.43,82.83) 87.67,82.99 87.74,83.06 arc(87.9,83.31) 87.96,83.59 C23.1 LED5.1 ; v1(102,31.09) C72.2 LED54.1 ; 58.48,26.67 74.83,26.67 arc(75.63,26.83) 76.32,27.29 76.33,27.31 arc(76.79,27.99) 76.95,28.79 76.95,29.97 arc(77.03,30.39) 77.27,30.74 77.29,30.77 arc(77.65,31) 78.07,31.09 v1(80.9,31.09) C73.2 LED55.1 ; 120.39,64.77 139.44,64.77 ; 139.44,64.77 158.49,64.77 ; 139.44,64.77 arc(139.96,64.88) 140.4,65.17 140.4,65.18 arc(140.7,65.61) 140.8,66.13 140.8,67.81 arc(140.9,68.33) 141.2,68.77 141.22,68.79 arc(141.66,69.08) 142.17,69.19 C41.2 LED23.1 ; 158.49,64.77 177.54,64.77 ; 158.49,64.77 arc(159.01,64.88) 159.45,65.17 159.45,65.18 arc(159.75,65.61) 159.85,66.13 159.85,67.81 arc(159.95,68.33) 160.25,68.77 160.27,68.79 arc(160.71,69.08) 161.22,69.19 C40.2 LED22.1 ; v1(295,8.47) 298.54,8.47 arc(298.97,8.56) 299.32,8.79 299.35,8.82 arc(299.59,9.18) 299.67,9.6 C85.1 LED67.1 ; 63.33,44.67 arc(63.61,44.73) 63.86,44.89 63.93,44.96 arc(64.09,45.21) 64.15,45.49 C51.1 LED33.1
